# Altium PCB 10515.0461_全联供输出板_V1.1_20200827_1P.PcbDoc (part 4 of 4) (continued)
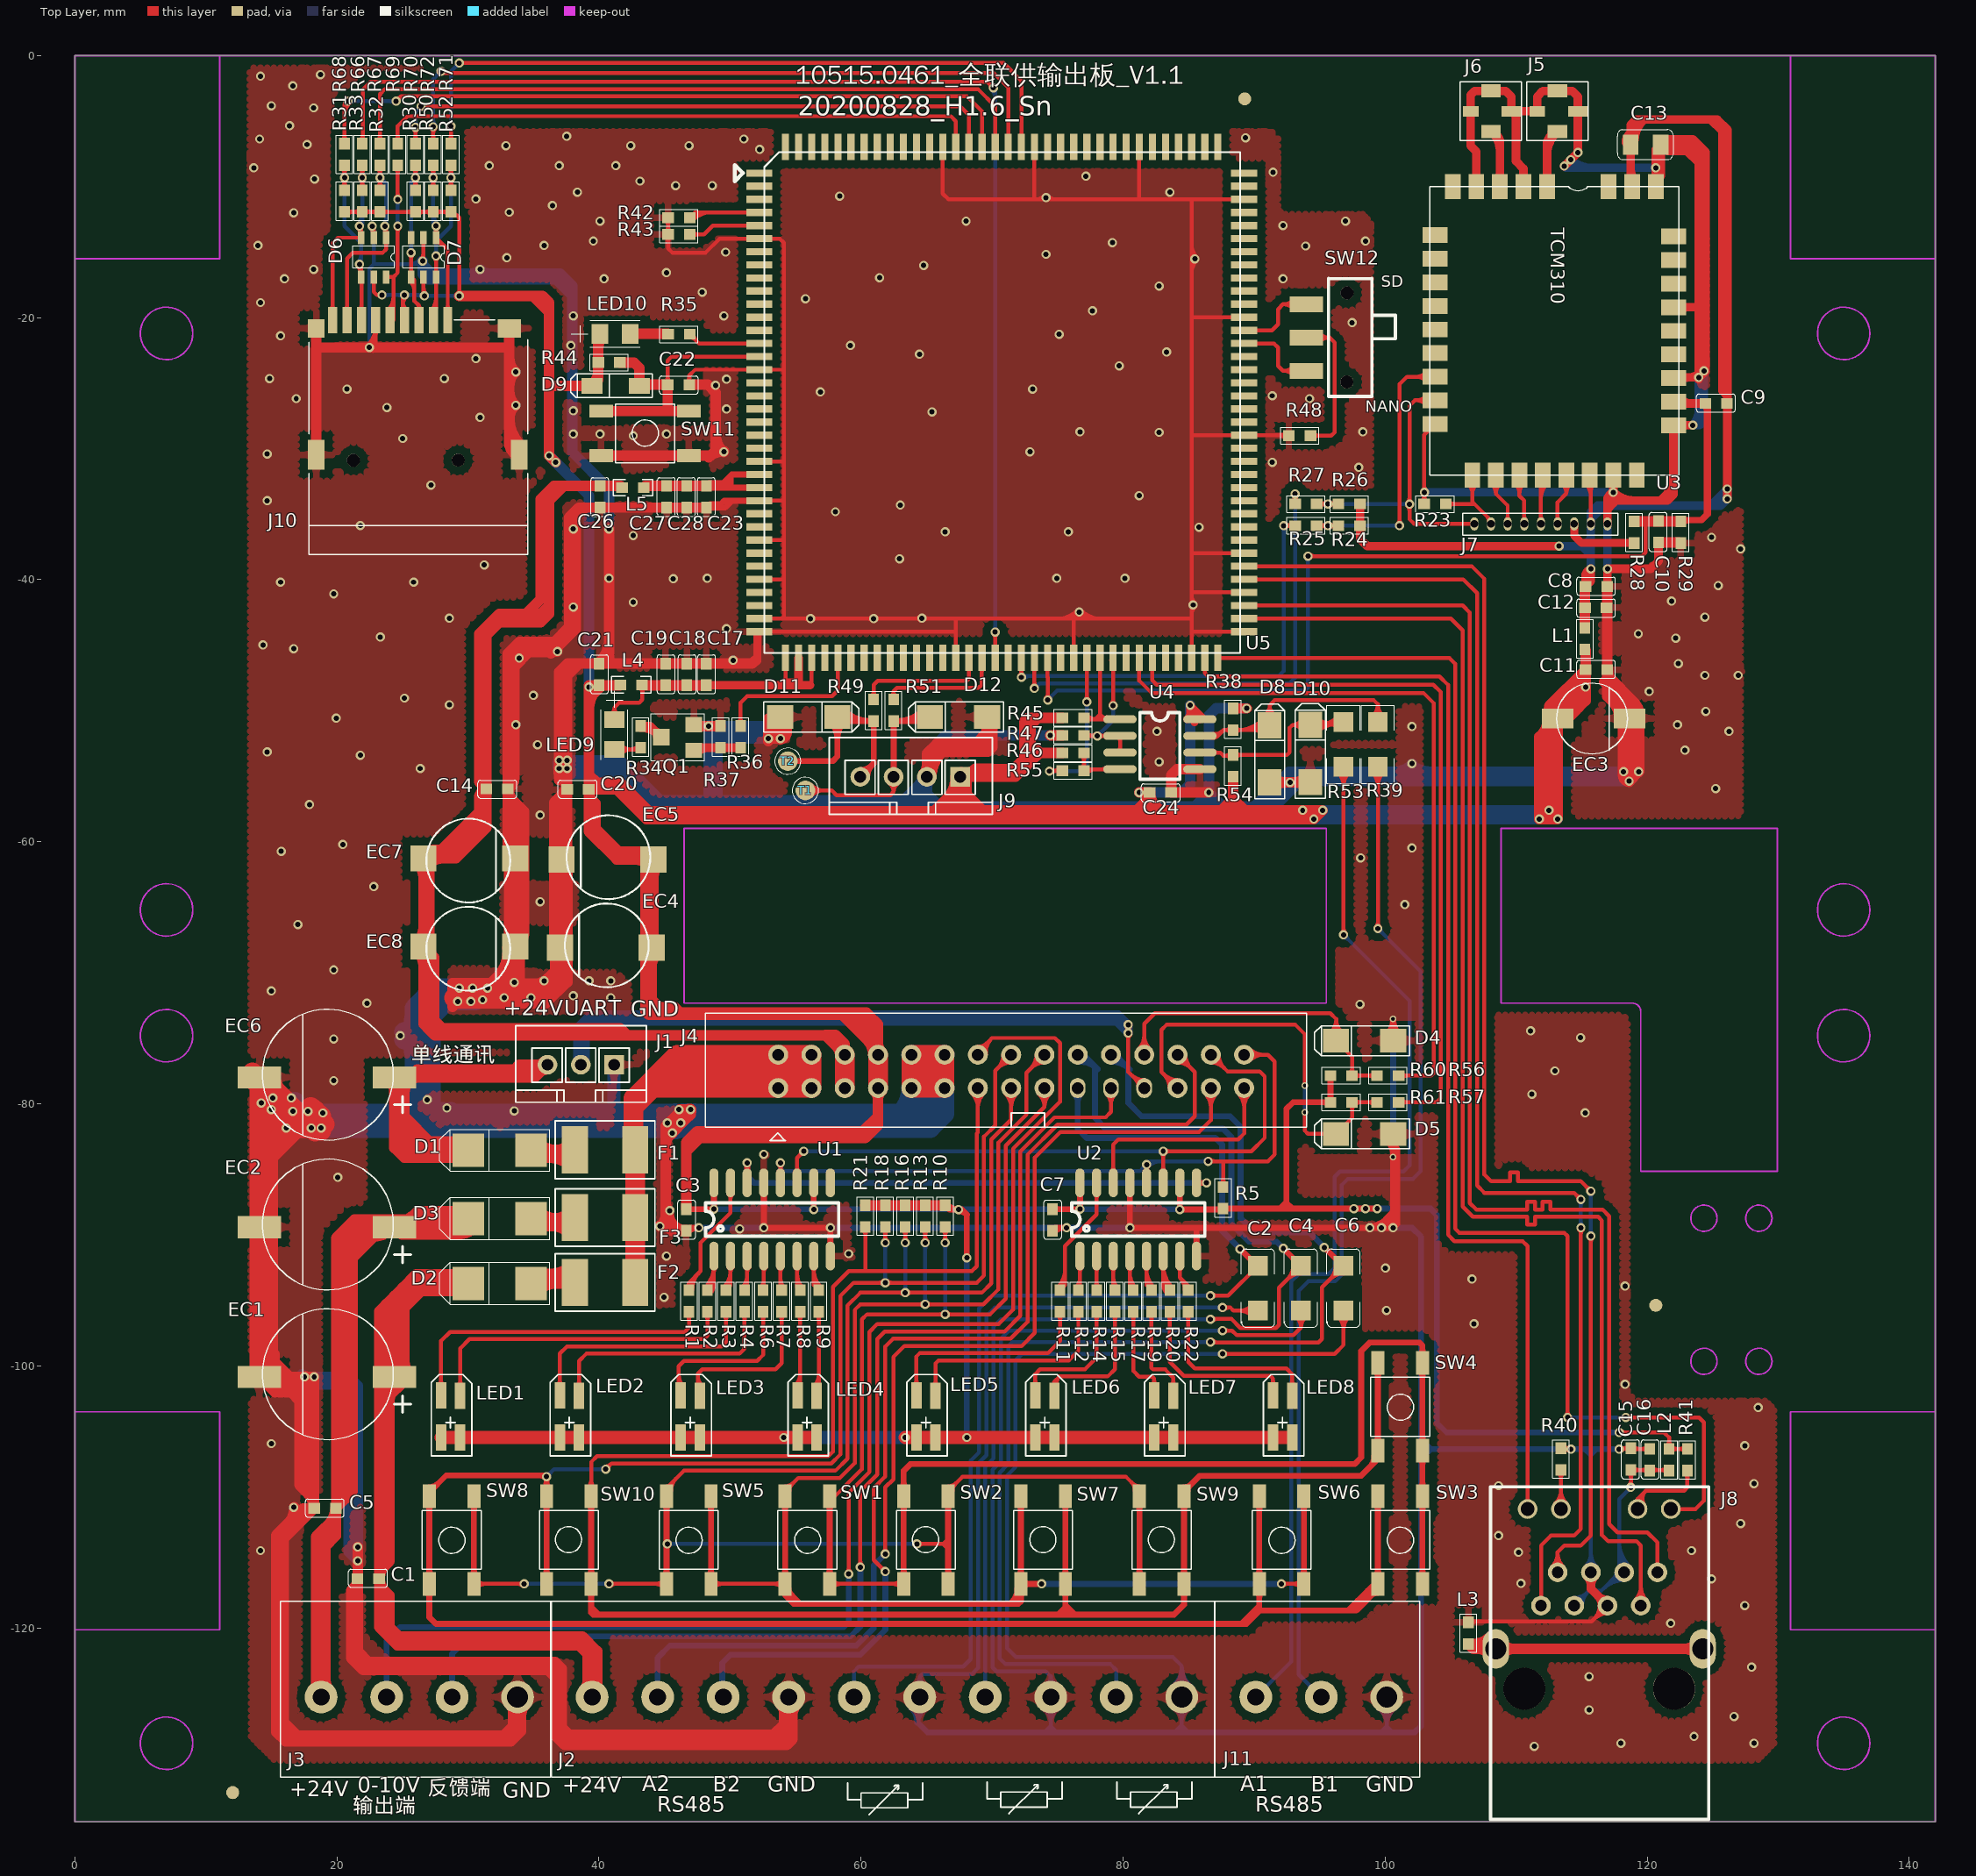
[diagram p0: Top Layer view]
## Nets (pads, with @x,y where several pads share a name; then routed paths per layer and width w, separated by ;. In a path a pad name is that pad's centre, name@x,y a point inside that pad or via, vN(x,y) a via of type N, cw(c..) or ccw(c..) an arc to the next point about the centre after c; other vN are vias at no path point) (continued)
  Top Layer w0.45: SW8.4@26.858,-117.231 cw(c26.389,-117.7) 27.053,-117.7 cw(c27.717,-117.7) SW8.4@27.247,-117.231 ; SW8.4@26.858,-116.042 ccw(c26.389,-115.572) 27.053,-115.572 ccw(c27.717,-115.572) SW8.4@27.247,-116.042 ; SW8.3@26.858,-110.531 cw(c26.389,-111) 27.053,-111 cw(c27.717,-111) SW8.3@27.247,-110.531 ; SW8.3@27.053,-109.261 ccw(c27.053,-108.348) 27.699,-108.994 ; 35.467,-108.356 cw(c35.467,-108.985) v1@35.912,-108.54 ; SW10.2@35.805,-116.042 ccw(c35.336,-115.572) 36,-115.572 ccw(c36.664,-115.572) SW10.2@36.194,-116.042 ; SW10.1@35.805,-110.531 cw(c35.336,-111) 36,-111 cw(c36.664,-111) SW10.1@36.194,-110.531 ; SW10.1@35.805,-109.342 ccw(c35.336,-108.872) 36,-108.872 ccw(c36.664,-108.872) SW10.1@36.194,-109.342 ; SW10.2@36,-116.001 SW10.1@36,-109.936 v1(36,-108.452) ; 89.027,-119.687 90.394,-118.32 90.394,-118.163 ; SW6.4@90.2,-117.231 cw(c89.73,-117.7) 90.394,-117.7 cw(c91.058,-117.7) SW6.4@90.589,-117.231 ; SW6.4@90.2,-116.042 ccw(c89.73,-115.572) 90.394,-115.572 ccw(c91.058,-115.572) SW6.4@90.589,-116.042 ; SW6.3@90.2,-110.531 cw(c89.73,-111) 90.394,-111 cw(c91.058,-111) SW6.3@90.589,-110.531 ; SW6.3@90.394,-109.936 SW6.4@90.394,-116.636 90.394,-118.163 ; 97.859,-117.967 cw(c99.443,-119.552) 99.443,-117.311 ccw(c99.443,-118.019) 98.943,-117.518 ; 98.627,-117.199 cw(c99.443,-118.015) SW3.4@99.443,-116.861 ; SW3.4@98.986,-117.475 ccw(c98.547,-117.036) SW3.4@99.168,-117.036 ; SW3.4@99.19,-116.636 97.155,-118.671 ; SW3.4@99.248,-116.042 ccw(c98.779,-115.572) 99.443,-115.572 ccw(c100.107,-115.572) SW3.4@99.637,-116.042 ; SW3.3@99.248,-110.531 cw(c98.779,-111) 99.443,-111 cw(c100.107,-111) SW3.3@99.637,-110.531 ; SW3.3@99.443,-109.936 SW3.4@99.443,-116.636 99.443,-117.018 97.79,-118.671 97.155,-118.671 ; v1@35.904,-108.356 v1(36,-108.452) ; v1@35.904,-108.356 v1(36,-108.452) ; v1@35.904,-108.356 28.336,-108.356 27.053,-109.64 SW8.3@27.053,-109.936 SW8.4@27.053,-116.636 27.053,-119.181 27.559,-119.687 89.408,-119.687 90.394,-118.701 90.394,-118.671 ; 90.394,-118.671 97.155,-118.671 ; 90.394,-118.671 90.394,-118.163
  Bottom Layer w0.3: v1(36,-108.452) 36.576,-107.876 v1(40.513,-107.876) ; v1@36,-108.252 ccw(c36,-107.769) 36.341,-108.111 ccw(c36.683,-108.452) v1@36.2,-108.452 ; v1@40.372,-108.017 ccw(c40.03,-108.359) 40.03,-107.876 ccw(c40.03,-107.393) v1@40.372,-107.735 ; v1@61.708,-93.511 ccw(c61.366,-93.169) 61.849,-93.169 ccw(c62.332,-93.169) v1@61.99,-93.511 ; v1@61.708,-90.745 cw(c61.366,-91.087) 61.849,-91.087 cw(c62.332,-91.087) v1@61.99,-90.745 ; v1(61.849,-93.652) v1(61.849,-90.604)
SW5: J4.13 R21.1 SW4.3 SW4.4 SW7.3 SW7.4 SW9.3 SW9.4 SW10.3 SW10.4 | length 177.3
  Top Layer w0.3: SW10.4@39.152,-109.289 ccw(c38.555,-108.691) 39.4,-108.691 ; SW10.4@39.647,-109.289 cw(c40.245,-108.691) 39.4,-108.691 ; R21.1@60.144,-89.617 cw(c59.706,-90.055) 60.325,-90.055 cw(c60.944,-90.055) R21.1@60.506,-89.617 ; 60.325,-92.763 R21.1@60.325,-89.397 ; J4.13@68.48,-79.226 cw(c67.435,-80.27) 68.913,-80.27 cw(c70.39,-80.27) J4.13@69.346,-79.226 ; J4.13@68.913,-78.793 68.913,-82.184 68.826,-82.271 68.826,-92.39 68.453,-92.763 59.055,-92.763 57.855,-93.963 57.855,-106.536 57.496,-106.895 39.843,-106.895 39.4,-107.338 39.4,-108.691
  Top Layer w0.45: SW10.3@39.205,-117.231 cw(c38.736,-117.7) 39.4,-117.7 cw(c40.064,-117.7) SW10.3@39.594,-117.231 ; SW10.3@39.205,-116.042 ccw(c38.736,-115.572) 39.4,-115.572 ccw(c40.064,-115.572) SW10.3@39.594,-116.042 ; SW10.4@39.205,-110.531 cw(c38.736,-111) 39.4,-111 cw(c40.064,-111) SW10.4@39.594,-110.531 ; SW10.4@39.4,-109.936 SW10.3@39.4,-116.636 39.4,-118.417 ; 39.966,-118.983 39.4,-118.417 ; 75.029,-118.983 75.595,-118.417 ; SW7.3@75.4,-117.231 cw(c74.931,-117.7) 75.595,-117.7 cw(c76.259,-117.7) SW7.3@75.789,-117.231 ; SW7.3@75.4,-116.042 ccw(c74.931,-115.572) 75.595,-115.572 ccw(c76.259,-115.572) SW7.3@75.789,-116.042 ; SW7.4@75.4,-110.531 cw(c74.931,-111) 75.595,-111 cw(c76.259,-111) SW7.4@75.789,-110.531 ; 75.595,-118.886 75.595,-118.417 ; SW7.4@75.595,-109.936 SW7.3@75.595,-116.636 75.595,-118.417 ; 76.327,-118.983 75.761,-118.417 75.595,-118.417 ; SW9.3@84.449,-117.231 cw(c83.98,-117.7) 84.644,-117.7 cw(c85.308,-117.7) SW9.3@84.838,-117.231 ; SW9.3@84.449,-116.042 ccw(c83.98,-115.572) 84.644,-115.572 ccw(c85.308,-115.572) SW9.3@84.838,-116.042 ; SW9.4@84.449,-110.531 cw(c83.98,-111) 84.644,-111 cw(c85.308,-111) SW9.4@84.838,-110.531 ; SW9.4@84.644,-109.261 ccw(c84.644,-108.462) 85.209,-109.027 ; SW9.4@84.919,-109.536 cw(c85.447,-109.536) SW9.4@85.073,-109.163 ; 98.806,-107.749 ccw(c97.934,-106.876) SW4.4@99.168,-106.876 ; SW4.4@99.248,-105.882 ccw(c98.779,-105.412) 99.443,-105.412 ccw(c100.107,-105.412) SW4.4@99.637,-105.882 ; SW4.3@99.248,-100.371 cw(c98.779,-100.84) 99.443,-100.84 cw(c100.107,-100.84) SW4.3@99.637,-100.371 ; SW4.3@99.443,-99.776 SW4.4@99.443,-106.476 99.443,-107.112 98.171,-108.384 85.852,-108.384 84.644,-109.592 SW9.4@84.644,-109.936 SW9.3@84.644,-116.636 84.644,-118.228 83.889,-118.983 39.555,-118.983 39.4,-118.828 39.4,-118.417
"TCM310 RESET": C9.1 C10.2 R28.2 R29.2 U3.27 U5.57 | length 98.8
  Top Layer w0.3: v1@74.103,-49.033 ccw(c73.761,-48.692) 74.244,-48.692 ccw(c74.727,-48.692) v1@74.386,-49.033 ; U5.57@74.144,-46.782 cw(c73.93,-46.996) 74.232,-46.996 cw(c74.534,-46.996) U5.57@74.32,-46.782 ; U5.57@74.232,-45.969 74.232,-47.434 74.244,-47.446 v1(74.244,-49.174) ; v1(94.107,-38.201) 119.586,-38.201 119.888,-37.899 119.888,-35.549 ; v1@94.248,-38.343 cw(c94.59,-38.684) 94.59,-38.201 cw(c94.59,-37.719) v1@94.248,-38.06 ; R29.2@122.736,-35.731 cw(c123.174,-36.169) 123.174,-35.549 cw(c123.174,-34.93) R29.2@122.736,-35.368 ; R29.2@122.736,-35.693 cw(c123.542,-36.498) 123.542,-35.359 ; C9.1@124.272,-26.408 124.41,-26.546 124.714,-26.85 124.714,-35.03 124.194,-35.549 122.174,-35.549 122.364,-35.549 122.555,-35.359 124.079,-35.359 124.46,-34.978 C9.1@124.46,-26.596 ; 124.46,-27.196 cw(c125.122,-27.196) C9.1@124.654,-26.727 ; 124.46,-27.134 ccw(c123.884,-27.134) 124.291,-26.727 cw(c123.271,-27.748) 124.714,-27.748 ; C9.1@124.504,-26.515 cw(c123.995,-27.023) 124.714,-27.023
  Top Layer w0.65: U3.27@122.003,-26.408 122.141,-26.546 124.41,-26.546 C9.1@124.435,-26.546 ; U3.27@122.547,-26.214 ccw(c123.35,-25.411) 123.35,-26.546
  Top Layer w0.8: R28.2@118.999,-35.549 119.888,-35.549 R29.2@122.174,-35.549
  Bottom Layer w0.3: v1(74.244,-49.174) 74.955,-48.463 93.878,-48.463 94.107,-48.235 v1(94.107,-38.201) ; v1@74.244,-48.974 ccw(c74.244,-48.492) 74.586,-48.833 ccw(c74.927,-49.174) v1@74.444,-49.174 ; v1@93.966,-38.343 cw(c93.624,-38.684) 94.107,-38.684 cw(c94.59,-38.684) v1@94.248,-38.343
TCM310_RXD: R24.1 R25.2 U3.15 | length 28.3
  Top Layer w0.3: R25.2@94.78,-35.877 R24.1@96.431,-35.877 ; R25.2@94.999,-36.059 cw(c95.437,-36.496) 95.437,-35.877 cw(c95.437,-35.258) R25.2@94.999,-35.696 ; v1@95.489,-36.019 ccw(c95.148,-36.36) 95.148,-35.877 ccw(c95.148,-35.395) v1@95.489,-35.736 ; v1@95.772,-36.019 cw(c96.114,-36.36) 96.114,-35.877 cw(c96.114,-35.395) v1@95.772,-35.736 ; R24.1@96.211,-36.059 ccw(c95.774,-36.496) 95.774,-35.877 ccw(c95.774,-35.258) R24.1@96.211,-35.696 ; v1@100.951,-35.736 ccw(c100.609,-35.395) 101.092,-35.395 ccw(c101.575,-35.395) v1@101.233,-35.736 ; v1(101.092,-35.877) 101.092,-25.072 101.656,-24.508 U3.15@103.803,-24.508 ; U3.15@103.135,-24.826 ccw(c102.367,-25.594) 102.367,-24.508 ccw(c102.367,-23.422) U3.15@103.135,-24.19
  Bottom Layer w0.3: v1(95.631,-35.877) v1(101.092,-35.877) ; v1@95.772,-36.019 cw(c96.114,-36.36) 96.114,-35.877 cw(c96.114,-35.395) v1@95.772,-35.736 ; v1@100.951,-36.019 ccw(c100.609,-36.36) 100.609,-35.877 ccw(c100.609,-35.395) v1@100.951,-35.736
TCM310_TXD: J7.9 R26.1 R27.2 U3.16 | length 32.5
  Top Layer w0.3: R27.2@94.78,-34.216 R26.1@96.431,-34.216 ; R27.2@94.999,-34.397 cw(c95.437,-34.835) 95.437,-34.216 cw(c95.437,-33.597) R27.2@94.999,-34.035 ; v1@95.49,-34.357 ccw(c95.148,-34.699) 95.148,-34.216 ccw(c95.148,-33.733) v1@95.49,-34.075 ; v1@95.772,-34.357 cw(c96.114,-34.699) 96.114,-34.216 cw(c96.114,-33.733) v1@95.772,-34.075 ; R26.1@96.211,-34.397 ccw(c95.774,-34.835) 95.774,-34.216 ccw(c95.774,-33.597) R26.1@96.211,-34.035 ; v1@101.713,-34.381 cw(c101.371,-34.722) 101.854,-34.722 cw(c102.337,-34.722) v1@101.995,-34.381 ; v1@101.713,-34.098 ccw(c101.371,-33.756) 101.854,-33.756 ccw(c102.337,-33.756) v1@101.995,-34.098 ; U3.16@103.135,-26.626 ccw(c102.367,-27.394) 102.367,-26.308 ccw(c102.367,-25.222) U3.16@103.135,-25.99 ; U3.16@103.803,-26.308 102.269,-26.308 101.854,-26.723 101.854,-35.382 102.212,-35.74 J7.9@106.807,-35.74 ; J7.9@106.701,-35.846 ccw(c106.445,-36.102) 106.445,-35.74 ccw(c106.445,-35.378) J7.9@106.701,-35.634
  Bottom Layer w0.3: v1(95.631,-34.216) v1@101.854,-34.216 ; v1@95.772,-34.357 cw(c96.114,-34.699) 96.114,-34.216 cw(c96.114,-33.733) v1@95.772,-34.075 ; 101.315,-34.216 cw(c101.315,-34.778) v1@101.713,-34.381 ; 101.427,-34.216 ccw(c101.427,-33.812) v1@101.713,-34.098
  other v1: 101.854,-34.239
TCM310_VDD: C8.1 C9.2 C12.2 C13.2 J7.2 L1.2 R24.2 R26.2 U3.2 U3.23 | length 126.4
  Top Layer w0.3: U3.23@115.299,-32.676 cw(c114.338,-33.637) 115.697,-33.637 ; J7.2@115.591,-35.434 ccw(c115.335,-35.178) 115.697,-35.178 ccw(c116.059,-35.178) J7.2@115.803,-35.434 ; U3.23@115.617,-32.008 115.697,-32.088 J7.2@115.697,-35.74 ; 115.697,-33.252 cw(c116.511,-33.252) U3.23@115.935,-32.676 ; U3.2@118.853,-10.008 U3.2@118.853,-9.89
  Top Layer w0.65: R26.2@98.082,-34.48 98.082,-35.001 R24.2@98.082,-35.877 98.082,-36.893 98.62,-37.431 100.707,-37.431 v1(113.268,-37.431) ; C8.1@115.271,-40.458 ccw(c114.243,-39.43) v1@115.697,-39.43 ; C8.1@115.291,-40.21 cw(c116.738,-40.21) v1@115.715,-39.187 ; 115.291,-39.744 cw(c115.864,-39.744) v1@115.704,-39.193 ; C13.2@118.36,-6.632 cw(c119.234,-6.632) 118.616,-6.014 ; C13.2@118.541,-7.15 cw(c118.071,-7.62) 118.735,-7.62 cw(c119.399,-7.62) C13.2@118.929,-7.15 ; C13.2@118.541,-6.438 ccw(c118.071,-5.968) 118.735,-5.968 ccw(c119.399,-5.968) C13.2@118.929,-6.438 ; U3.2@118.735,-9.89 C13.2@118.735,-6.794 118.735,-5.27 119.126,-4.879 120.015,-4.879 ; 118.735,-8.709 ccw(c119.802,-8.709) U3.2@119.047,-9.464 ; 118.735,-5.895 119.751,-4.879 120.015,-4.879 ; C13.2@119.01,-6.632 cw(c121.453,-6.632) 119.726,-4.904 ; v1(126.111,-33.835) 126.111,-5.641 125.349,-4.879 124.714,-4.879 ; 126.111,-25.961 125.73,-25.58 125.73,-5.768 124.841,-4.879 124.714,-4.879 ; 120.015,-4.879 124.714,-4.879 ; C8.1@115.291,-40.516 115.291,-39.575 v1(115.697,-39.169) 115.697,-40.11 C8.1@115.291,-40.516
  Top Layer w0.8: L1.2@115.243,-43.677 C8.1@115.243,-40.564
  Bottom Layer w0.65: v1(113.268,-37.431) 114.808,-37.431 ; 115.466,-37.431 114.808,-37.431 ; v1(115.697,-39.169) 115.697,-37.719 J7.2@115.697,-35.74 115.697,-34.851 116.205,-34.343 116.713,-34.343 ; 115.697,-38.125 115.003,-37.431 114.808,-37.431 ; 115.697,-36.855 115.121,-37.431 114.808,-37.431 ; J7.2@115.697,-35.359 116.713,-34.343 ; 124.841,-34.343 v1(126.111,-33.073) v1(126.111,-33.835) 125.603,-34.343 116.713,-34.343
TXD4: D5.1 J4.25 R57.2 R61.1 | length 36.2
  Top Layer w0.3: J4.25@83.541,-78.793 ccw(c82.063,-78.793) 83.108,-77.748 ccw(c84.153,-76.703) J4.25@84.153,-78.181 ; J4.25@84.153,-78.793 82.931,-77.571 82.931,-74.348 83.312,-73.967 93.144,-73.967 93.853,-74.676 v2(93.853,-78.613) ; v2(93.853,-80.645) 93.853,-82.042 94.107,-82.296 D5.1@96.241,-82.296 97.472,-81.064 R61.1@97.472,-79.883 R57.2@99.377,-79.883 ; R61.1@97.291,-80.064 cw(c96.853,-80.502) 97.473,-80.502 cw(c98.092,-80.502) R61.1@97.654,-80.064 ; R61.1@97.692,-80.064 cw(c98.13,-80.502) 98.13,-79.883 cw(c98.13,-79.264) R61.1@97.692,-79.702 ; R57.2@99.158,-80.064 ccw(c98.72,-80.502) 98.72,-79.883 ccw(c98.72,-79.264) R57.2@99.158,-79.702
  Bottom Layer w0.3: v2(93.853,-80.645) v2(93.853,-78.613)
UART: J1.2 J4.23 | length 107.3
  Top Layer w0.3: v1@80.25,-74.743 cw(c79.908,-75.085) 80.391,-75.085 cw(c80.874,-75.085) v1@80.532,-74.743 ; v1@80.25,-74.461 ccw(c79.908,-74.119) 80.391,-74.119 ccw(c80.874,-74.119) v1@80.532,-74.461 ; v1@80.25,-74.108 cw(c79.908,-74.45) 80.391,-74.45 cw(c80.874,-74.45) v1@80.532,-74.108 ; v1(80.391,-73.967) 80.391,-77.571 J4.23@81.613,-78.793 ; 80.568,-77.748 ccw(c81.613,-76.703) J4.23@81.613,-78.181 ; 80.959,-78.139 cw(c80.468,-78.631) J4.23@81.163,-78.631 ; 81.08,-78.26 ccw(c81.613,-77.728) J4.23@81.613,-78.481
  Bottom Layer w0.65: J1.2@38.307,-76.714 ccw(c36.662,-75.069) 38.989,-75.069 ; J1.2@38.354,-77.343 38.354,-74.168 39.317,-73.205 79.629,-73.205 80.137,-73.713 ; 38.354,-75.376 ccw(c40.247,-75.376) J1.2@38.909,-76.714 ; J1.2@38.989,-77.216 38.989,-74.295 39.571,-73.713 79.502,-73.713 ; 79.717,-73.713 cw(c79.717,-74.641) v1@80.373,-73.985 ; 79.899,-73.475 cw(c78.773,-74.602) v1@80.366,-74.602 ; 79.502,-73.713 80.137,-73.713 ; 79.502,-73.713 v1(80.391,-74.602) v1(80.391,-73.967) 80.137,-73.713
UART1_RXD: D12.1 J9.3 R51.1 T1.1 | length 38.6
  Top Layer w0.3: T1.1@55.753,-56.083 57.767,-56.083 58.125,-56.441 62.23,-56.441 62.484,-56.187 ; T1.1@56.177,-56.507 cw(c57.202,-57.532) 57.202,-56.083 cw(c57.202,-54.635) T1.1@56.177,-55.659 ; J9.3@62.143,-55.538 cw(c61.695,-56.187) 62.484,-56.187 ; R51.1@62.303,-51.009 cw(c61.865,-51.447) 62.484,-51.447 cw(c63.103,-51.447) R51.1@62.665,-51.009 ; R51.1@62.576,-50.789 ccw(c62.576,-47.895) D12.1@64.623,-49.942 ; R51.1@62.665,-50.971 cw(c63.103,-51.409) 63.103,-50.789 cw(c63.103,-50.17) R51.1@62.665,-50.608 ; J9.3@62.825,-55.538 ccw(c63.273,-56.187) 62.484,-56.187 ; 63.3,-50.789 ccw(c63.3,-48.619) D12.1@64.835,-50.154 ; 64.024,-50.789 ccw(c64.024,-49.343) D12.1@65.047,-50.366 ; 64.109,-50.789 cw(c64.109,-51.516) D12.1@64.623,-51.002 ; D12.1@64.935,-50.789 R51.1@62.484,-50.789 J9.3@62.484,-55.044 62.484,-56.187
  Top Layer w0.45: R51.1@62.356,-50.956 cw(c62.046,-51.266) 62.484,-51.266 cw(c62.922,-51.266) R51.1@62.612,-50.956 ; J9.3@62.484,-55.044 R51.1@62.484,-50.789 64.935,-50.789 D12.1@65.253,-50.472 ; R51.1@62.612,-50.918 cw(c62.922,-51.227) 62.922,-50.789 cw(c62.922,-50.352) R51.1@62.612,-50.661 ; R51.1@62.757,-50.789 ccw(c62.757,-48.076) D12.1@64.676,-49.995 ; 63.843,-50.789 ccw(c63.843,-49.162) D12.1@64.994,-50.313 ; D12.1@64.29,-50.789 cw(c64.29,-51.335) D12.1@64.676,-50.949
UART1_TXD: D11.1 J9.4 R49.1 T2.1 | length 27.2
  Top Layer w0.3: R49.1@60.779,-51.009 cw(c60.341,-51.447) 60.96,-51.447 cw(c61.579,-51.447) R49.1@61.141,-51.009 ; 60.96,-52.885 R49.1@60.96,-50.789
  Top Layer w0.45: T2.1@54.407,-53.848 57.836,-53.848 58.191,-53.493 D11.1@58.191,-50.472 ; D11.1@57.714,-50.949 cw(c56.561,-52.102) 58.191,-52.102 cw(c59.821,-52.102) D11.1@58.668,-50.949 ; D11.1@58.191,-50.789 R49.1@60.96,-50.789 60.96,-54.028 J9.4@59.944,-55.044 ; D11.1@58.45,-50.313 ccw(c59.601,-49.162) 59.601,-50.789 ; D11.1@58.768,-50.949 cw(c59.154,-51.335) D11.1@59.154,-50.789 ; D11.1@58.768,-49.995 ccw(c60.687,-48.076) R49.1@60.687,-50.789 ; J9.4@59.944,-54.519 ccw(c59.944,-53.252) 60.84,-54.148 ccw(c61.736,-55.044) J9.4@60.469,-55.044 ; R49.1@60.832,-50.956 cw(c60.522,-51.266) 60.96,-51.266 cw(c61.398,-51.266) R49.1@61.088,-50.956 ; R49.1@60.832,-50.918 ccw(c60.522,-51.227) 60.522,-50.789 ccw(c60.522,-50.352) R49.1@60.832,-50.661
UART2_RXD: R27.1 U5.56 | length 41.8
  Top Layer w0.3: v1@73.091,-48.144 ccw(c72.749,-47.803) 73.232,-47.803 ccw(c73.715,-47.803) v1@73.373,-48.144 ; U5.56@73.144,-46.782 cw(c72.93,-46.996) 73.232,-46.996 cw(c73.534,-46.996) U5.56@73.32,-46.782 ; v1(73.232,-48.285) U5.56@73.232,-45.969 ; R27.1@92.948,-34.035 ccw(c92.51,-33.597) 93.129,-33.597 ccw(c93.748,-33.597) R27.1@93.31,-34.035 ; v1@92.987,-33.593 cw(c92.646,-33.935) 93.129,-33.935 cw(c93.612,-33.935) v1@93.27,-33.593 ; R27.1@93.129,-34.216 v1(93.129,-33.452)
  Bottom Layer w0.3: v1(73.232,-48.285) 73.608,-47.909 92.705,-47.909 93.129,-47.485 v1(93.129,-33.452) ; v1@73.232,-48.085 ccw(c73.232,-47.603) 73.573,-47.944 ccw(c73.915,-48.285) v1@73.432,-48.285 ; v1@92.987,-33.593 cw(c92.646,-33.935) 93.129,-33.935 cw(c93.612,-33.935) v1@93.27,-33.593
UART2_TXD: R25.1 U5.55 | length 38
  Top Layer w0.3: v1@72.091,-47.306 ccw(c71.749,-46.964) 72.232,-46.964 ccw(c72.715,-46.964) v1@72.373,-47.306 ; U5.55@72.144,-46.782 cw(c71.93,-46.996) 72.232,-46.996 cw(c72.534,-46.996) U5.55@72.32,-46.782 ; v1(72.232,-47.447) U5.55@72.232,-45.969 ; v1(92.253,-35.877) R25.1@93.129,-35.877 ; v1@92.394,-36.019 cw(c92.736,-36.36) 92.736,-35.877 cw(c92.736,-35.395) v1@92.394,-35.736 ; R25.1@92.909,-36.059 ccw(c92.472,-36.496) 92.472,-35.877 ccw(c92.472,-35.258) R25.1@92.909,-35.696
  Bottom Layer w0.3: v1(72.232,-47.447) 72.334,-47.346 91.872,-47.346 92.253,-46.965 v1(92.253,-35.877) ; v1@72.373,-47.589 cw(c72.96,-48.175) 72.96,-47.346 ; v1@92.111,-36.019 cw(c91.77,-36.36) 92.253,-36.36 cw(c92.736,-36.36) v1@92.394,-36.019
UART3_RXD: R45.1 U4.1 U5.61 | length 12
  Top Layer w0.3: R45.1@77.013,-50.533 77.131,-50.652 U4.1@79.763,-50.652 78.592,-50.652 78.232,-50.292 77.872,-50.652 77.826,-50.652 ; R45.1@77.232,-50.352 ccw(c77.956,-49.628) 77.956,-50.652 ; U5.61@78.144,-46.782 cw(c77.93,-46.996) 78.232,-46.996 cw(c78.534,-46.996) U5.61@78.32,-46.782 ; 78.232,-50.652 U5.61@78.232,-45.969 ; 78.335,-50.395 ccw(c78.636,-50.093) U4.1@78.755,-50.503 ; U4.1@78.688,-50.761 ccw(c78.424,-51.026) 78.424,-50.652 ccw(c78.424,-50.278) U4.1@78.688,-50.542
UART3_TXD: R55.2 U5.60 | length 16.7
  Top Layer w0.3: v1(74.371,-54.61) 74.41,-54.572 R55.2@75.362,-54.572 ; v1@74.513,-54.752 cw(c74.947,-55.186) R55.2@74.947,-54.572 ; v1@74.513,-54.469 ccw(c74.761,-54.22) 74.761,-54.572 ; R55.2@75.142,-54.753 ccw(c74.705,-55.191) 74.705,-54.572 ccw(c74.705,-53.953) R55.2@75.142,-54.39 ; v1@77.091,-49.185 ccw(c76.749,-48.844) 77.232,-48.844 ccw(c77.715,-48.844) v1@77.373,-49.185 ; U5.60@77.144,-46.782 cw(c76.93,-46.996) 77.232,-46.996 cw(c77.534,-46.996) U5.60@77.32,-46.782 ; v1(77.232,-49.327) U5.60@77.232,-45.969
  Bottom Layer w0.3: v1(74.371,-54.61) 76.682,-54.61 77.232,-54.06 v1(77.232,-49.327) ; v1@74.513,-54.752 cw(c74.854,-55.093) 74.854,-54.61 cw(c74.854,-54.127) v1@74.513,-54.469 ; v1@77.091,-49.468 cw(c76.749,-49.81) 77.232,-49.81 cw(c77.715,-49.81) v1@77.373,-49.468
UART4_RXD: R57.1 U5.65 | length 59.9
  Top Layer w0.3: U5.65@82.144,-46.782 cw(c81.93,-46.996) 82.232,-46.996 cw(c82.534,-46.996) U5.65@82.32,-46.782 ; U5.65@82.232,-45.969 82.232,-47.688 82.55,-48.006 103.683,-48.006 104.245,-48.568 104.245,-79.575 103.937,-79.883 R57.1@101.028,-79.883 ; R57.1@101.248,-80.064 cw(c101.686,-80.502) 101.686,-79.883 cw(c101.686,-79.264) R57.1@101.248,-79.702
UART4_TXD: R56.1 U5.64 | length 57.3
  Top Layer w0.3: U5.64@81.144,-46.782 cw(c80.93,-46.996) 81.232,-46.996 cw(c81.534,-46.996) U5.64@81.32,-46.782 ; U5.64@81.232,-45.969 81.232,-47.704 82.169,-48.641 102.921,-48.641 103.691,-49.411 103.691,-68.986 103.691,-77.665 103.505,-77.851 R56.1@101.028,-77.851 ; R56.1@101.248,-78.032 cw(c101.686,-78.47) 101.686,-77.851 cw(c101.686,-77.232) R56.1@101.248,-77.67
USB_OTG2_DN: U5.28
USB_OTG2_DP: U5.27
WSDADIO2: J7.5 U3.21 | length 6.5
  Top Layer w0.3: U3.21@111.713,-32.676 cw(c111.294,-33.095) 111.887,-33.095 ; J7.5@111.781,-35.434 ccw(c111.525,-35.178) 111.887,-35.178 ccw(c112.249,-35.178) J7.5@111.993,-35.434 ; J7.5@111.887,-35.74 U3.21@111.887,-32.153 ; 111.887,-33.793 cw(c113.467,-33.793) U3.21@112.35,-32.676 ; 111.887,-33.069 cw(c112.743,-33.069) U3.21@112.138,-32.464
pads on no net: D7.3 J8.0 J10. SW12. U1.9 U3.3 U3.8 U3.9 U3.10 U3.11 U3.12 U3.13 U3.14 U3.25 U3.29 U3.30 U3.32 U3.33 U3.34 U5.2 U5.3 U5.7 U5.8 U5.9 U5.10 U5.11 U5.12 U5.13 U5.17 U5.18 U5.19 U5.20 U5.21 U5.22 U5.30 U5.31 U5.33 U5.34 U5.46 U5.47 U5.48 U5.49 U5.58 U5.63 U5.66 U5.67 U5.78 U5.79 U5.80 U5.81 U5.82 U5.83 U5.84 U5.85 U5.87 U5.88 U5.89 U5.90 U5.91 U5.92 U5.96 U5.97 U5.98 U5.99 U5.100 U5.101 U5.102 U5.103 U5.105 U5.106 U5.107 U5.108 U5.109 U5.110 U5.111 U5.112 U5.114 U5.115 U5.116 U5.117 U5.118 U5.119 U5.120 U5.129 U5.130 U5.131 U5.132 U5.133 U5.134 U5.135 U5.136 U5.137 U5.138 U5.139 U5.140

## Polygon pours and split planes (outlines as drawn)
GND on Top Layer "Top Layer-No Net" (hatched 90Degree grid 0.508 track 0.508, remove dead copper, pour order 1000): 13.462,-128.323 15.24,-130.101 128.397,-130.101 129.667,-128.831 129.667,-103.304 129.032,-102.669 119.126,-102.669 118.491,-102.034 118.491,-73.586 117.729,-72.824 108.585,-72.824 108.585,-58.981 109.093,-58.473 126.492,-58.473 127.127,-57.838 127.127,-13.769 126.873,-13.515 123.19,-13.515 122.936,-13.769 122.936,-33.327 122.301,-33.962 99.822,-33.962 98.933,-33.073 98.933,-12.753 98.298,-12.118 92.202,-12.118 91.821,-11.737 91.821,-6.276 91.313,-5.768 15.367,-5.768 13.335,-7.8
GND on Top Layer "Top Layer-No Net" (hatched 90Degree grid 0.508 track 0.508, remove dead copper, pour order 1001): 13.335,-7.889 13.335,-0.127 13.462,0 33.475,0 33.655,-0.18 33.655,-5.476 31.75,-7.381 13.754,-7.381 13.335,-7.8
GND on Bottom Layer "Top Layer-No Net" (hatched 90Degree grid 0.508 track 0.508, remove dead copper, pour order 1000): 13.462,-128.323 15.24,-130.101 128.397,-130.101 129.667,-128.831 129.667,-103.304 129.032,-102.669 119.126,-102.669 118.491,-102.034 118.491,-73.586 117.729,-72.824 108.585,-72.824 108.585,-58.981 109.093,-58.473 126.492,-58.473 127.127,-57.838 127.127,-13.769 126.873,-13.515 123.19,-13.515 122.936,-13.769 122.936,-33.327 122.301,-33.962 99.822,-33.962 98.933,-33.073 98.933,-12.753 98.298,-12.118 92.202,-12.118 91.821,-11.737 91.821,-6.276 91.313,-5.768 15.367,-5.768 13.335,-7.8

## Keep-outs
Keep-Out Layer:
  circle w0.127: c124.324,-99.651 r1
  circle w0.127: c128.515,-99.651 r1
  circle w0.127: c128.515,-88.729 r1
  circle w0.127: c124.324,-88.729 r1
  circle w0.127: c134.992,-128.8 r2
  circle w0.127: c134.992,-74.8 r2
  circle w0.127: c134.992,-65.2 r2
  circle w0.127: c134.992,-21.2 r2
  circle w0.127: c6.992,-128.8 r2
  circle w0.127: c6.992,-74.8 r2
  circle w0.127: c6.992,-21.2 r2
  circle w0.127: c6.992,-65.2 r2
  lines w0.127: 0,-120.142 11.049,-120.142 11.049,-103.505 0,-103.505 ; 0,-15.494 11.049,-15.494 11.049,0 ; 130.935,0 130.935,-15.494 141.984,-15.494 ; 141.984,-120.142 130.935,-120.142 130.935,-103.505 141.984,-103.505 ; 0,-134.8 10.492,-134.8 131.492,-134.8 141.984,-134.8 141.984,0 131.492,0 10.492,0 0,0 0,-134.8 ; 46.482,-72.316 95.504,-72.316 95.504,-58.981 46.482,-58.981 46.482,-72.316 ; 108.839,-72.316 118.872,-72.316 cw(c118.872,-72.951) 119.507,-72.951 119.507,-85.143 129.921,-85.143 129.921,-72.316 129.921,-58.981 108.839,-58.981 108.839,-72.316

## Other copper
Top Layer:
  pour cut-out: 46.482,-79.809 47.117,-79.174 60.579,-79.174 60.579,-80.825 59.69,-81.714 46.609,-81.714 46.228,-82.095 46.228,-79.555 46.482,-79.301
  pour cut-out: 55.499,-82.857 55.499,-85.411 57.795,-87.706 67.922,-87.706 68.58,-87.048 68.58,-79.428 68.326,-79.174 62.23,-79.174 58.547,-82.857
  pour cut-out: 110.236,-106.479 122.555,-106.479 123.825,-107.749 123.825,-110.67 121.285,-113.21 121.285,-118.036 120.269,-119.052 119.761,-118.544 111.633,-118.544 110.871,-117.782 110.871,-111.94 110.236,-111.305
  pour cut-out: 101.6,-2.085 101.6,-35.105 101.854,-35.359 123.19,-35.359 124.079,-34.47 124.079,-1.577 122.555,-1.831 101.727,-1.831
  pour cut-out: 34.925,-106.225 34.925,-116.385 35.179,-116.639 39.751,-116.639 40.132,-116.258 40.132,-106.733 39.624,-106.225
  pour cut-out: 61.087,-71.681 61.087,-78.793 61.976,-79.682 79.121,-79.682 79.883,-78.92 79.883,-73.205 78.486,-71.808 61.341,-71.808
  pour cut-out: 41.369,-81.841 42.766,-83.238 42.766,-94.127 43.942,-95.303 46.228,-95.303 46.228,-97.624 42.58,-101.272 26.67,-101.272 25.908,-100.51 25.908,-95.811 26.162,-95.557 22.479,-95.557 22.098,-95.176 22.098,-79.301 23.876,-77.523 23.876,-77.65 28.067,-81.841
  pour cut-out: 38.227,-60.124 38.227,-69.548 38.608,-69.929 41.301,-69.929 42.672,-71.3 42.672,-62.41 40.513,-60.251 38.354,-60.251
  pour cut-out: 32.625,-59.197 32.625,-69 32.766,-69.141 32.258,-69.649 28.321,-69.649 27.813,-69.141 27.813,-62.918 31.534,-59.197
  pour cut-out: 79.248,-83.111 81.788,-83.111 82.042,-83.365 82.042,-85.905 81.661,-86.286 78.994,-86.286 78.867,-86.159 78.867,-83.492
  pour cut-out: 88.332,-93.853 88.408,-93.777 98.247,-93.777 98.492,-94.022 98.492,-99.298 97.953,-99.837 88.042,-99.837 87.824,-99.619 87.824,-94.005
Bottom Layer:
  pour cut-out: 50.546,-83.619 53.721,-83.619 54.483,-82.857 54.483,-84.762 53.848,-85.397 51.181,-85.397 50.546,-84.762
  pour cut-out: 118.999,-108.511 120.142,-109.654 122.174,-109.654 122.174,-117.274 120.015,-119.433 111.633,-119.433 111.633,-117.782 113.411,-116.004 116.459,-116.004 117.856,-114.607 117.856,-109.654
  pour cut-out: 53.467,-79.809 76.152,-79.809 76.533,-79.428 76.533,-75.062 76.327,-74.856 58.42,-74.856
  pour cut-out: 86.995,-93.929 87.051,-93.874 92.096,-93.874 92.532,-94.31 92.532,-99.644 92.339,-99.837 87.026,-99.837 86.716,-99.526 86.716,-94.107 86.741,-94.082
  pour cut-out: 88.57,-98.755 88.57,-99.416 88.396,-99.589 72.516,-99.589 72.232,-99.873 72.232,-107.998 71.588,-108.642 71.653,-121.173 72.06,-121.681 84.531,-121.681 85.039,-122.335 85.039,-123.495 84.988,-123.495 84.785,-123.698 83.871,-123.698 83.76,-123.587 83.76,-122.942 83.542,-122.723 77.368,-122.763 71.73,-122.763 70.891,-121.884 70.891,-108.28 71.476,-107.696 71.476,-98.882 71.806,-98.552 88.392,-98.552

## Silkscreen, mask and mechanical layers (free items; w line width, h text height)
Top Overlay:
  lines w0.127: 58.979,-131.826 58.979,-133.096 59.995,-133.096 ; 60.63,-134.239 62.852,-132.017 ; 62.535,-132.08 62.598,-132.017 62.852,-132.017 ; 62.789,-132.334 62.852,-132.27 62.852,-132.017 ; 63.551,-133.096 64.694,-133.096 64.694,-131.826 ; 69.63,-131.763 69.63,-133.033 70.646,-133.033 ; 71.281,-134.176 73.503,-131.954 ; 73.186,-132.017 73.249,-131.954 73.503,-131.954 ; 73.44,-132.271 73.503,-132.208 73.503,-131.954 ; 74.202,-133.033 75.345,-133.033 75.345,-131.763 ; 79.536,-131.763 79.536,-133.033 80.552,-133.033 ; 81.187,-134.176 83.409,-131.954 ; 83.092,-132.017 83.155,-131.954 83.409,-131.954 ; 83.346,-132.271 83.409,-132.208 83.409,-131.954 ; 84.108,-133.033 85.251,-133.033 85.251,-131.763 ; 59.995,-133.096 59.995,-133.731 63.551,-133.731 63.551,-132.588 59.995,-132.588 59.995,-133.096 ; 70.646,-133.033 70.646,-132.525 74.202,-132.525 74.202,-133.668 70.646,-133.668 70.646,-133.033 ; 80.552,-133.033 80.552,-133.668 84.108,-133.668 84.108,-132.525 80.552,-132.525 80.552,-133.033
  text "10515.0461_全联供输出板_V1.1" at 54.991,-2.667 h2.5
  text "20200828_H1.6_Sn" at 55.194,-5.08 h2.5
  text "SD" at 99.695,-17.96 h1.5
  text "NANO" at 98.492,-27.508 h1.5
  text "+24V" at 32.766,-73.66 h2
  text "UART" at 37.338,-73.66 h2
  text "GND" at 42.418,-73.713 h2
  text "单线通讯" at 25.654,-77.216 h2
  text "A2" at 43.307,-132.842 h2
  text "A1" at 88.954,-132.842 h2
  text "GND" at 52.866,-132.885 h2
  text "GND" at 98.513,-132.885 h2
  text "B2" at 48.675,-132.906 h2
  text "B1" at 94.322,-132.906 h2
  text "0-10V" at 21.59,-132.946 h2
  text "+24V" at 37.211,-132.969 h2
  text "反馈端" at 26.924,-133.149 h2
  text "+24V" at 16.383,-133.276 h2
  text "GND" at 32.639,-133.35 h2
  text "RS485" at 44.45,-134.419 h2
  text "RS485" at 90.097,-134.419 h2
  text "输出端" at 21.209,-134.493 h2
Bottom Overlay:
  lines w0.127: 10.492,-134.8 10.492,0 ; 131.492,-134.8 131.492,0

## Text inside footprints (layer, text, board x,y; h text height)
J8: Bottom Overlay "2" at 119.824,-120.404 h1.8; Bottom Overlay "8" at 111.696,-119.515 h1.8 r180
U3: Top Overlay "TCM310" at 112.268,-13.134 h1.8 r270